# Altium PCB BMS_V2.1_Adv.PcbDoc (part 4 of 4) (continued)
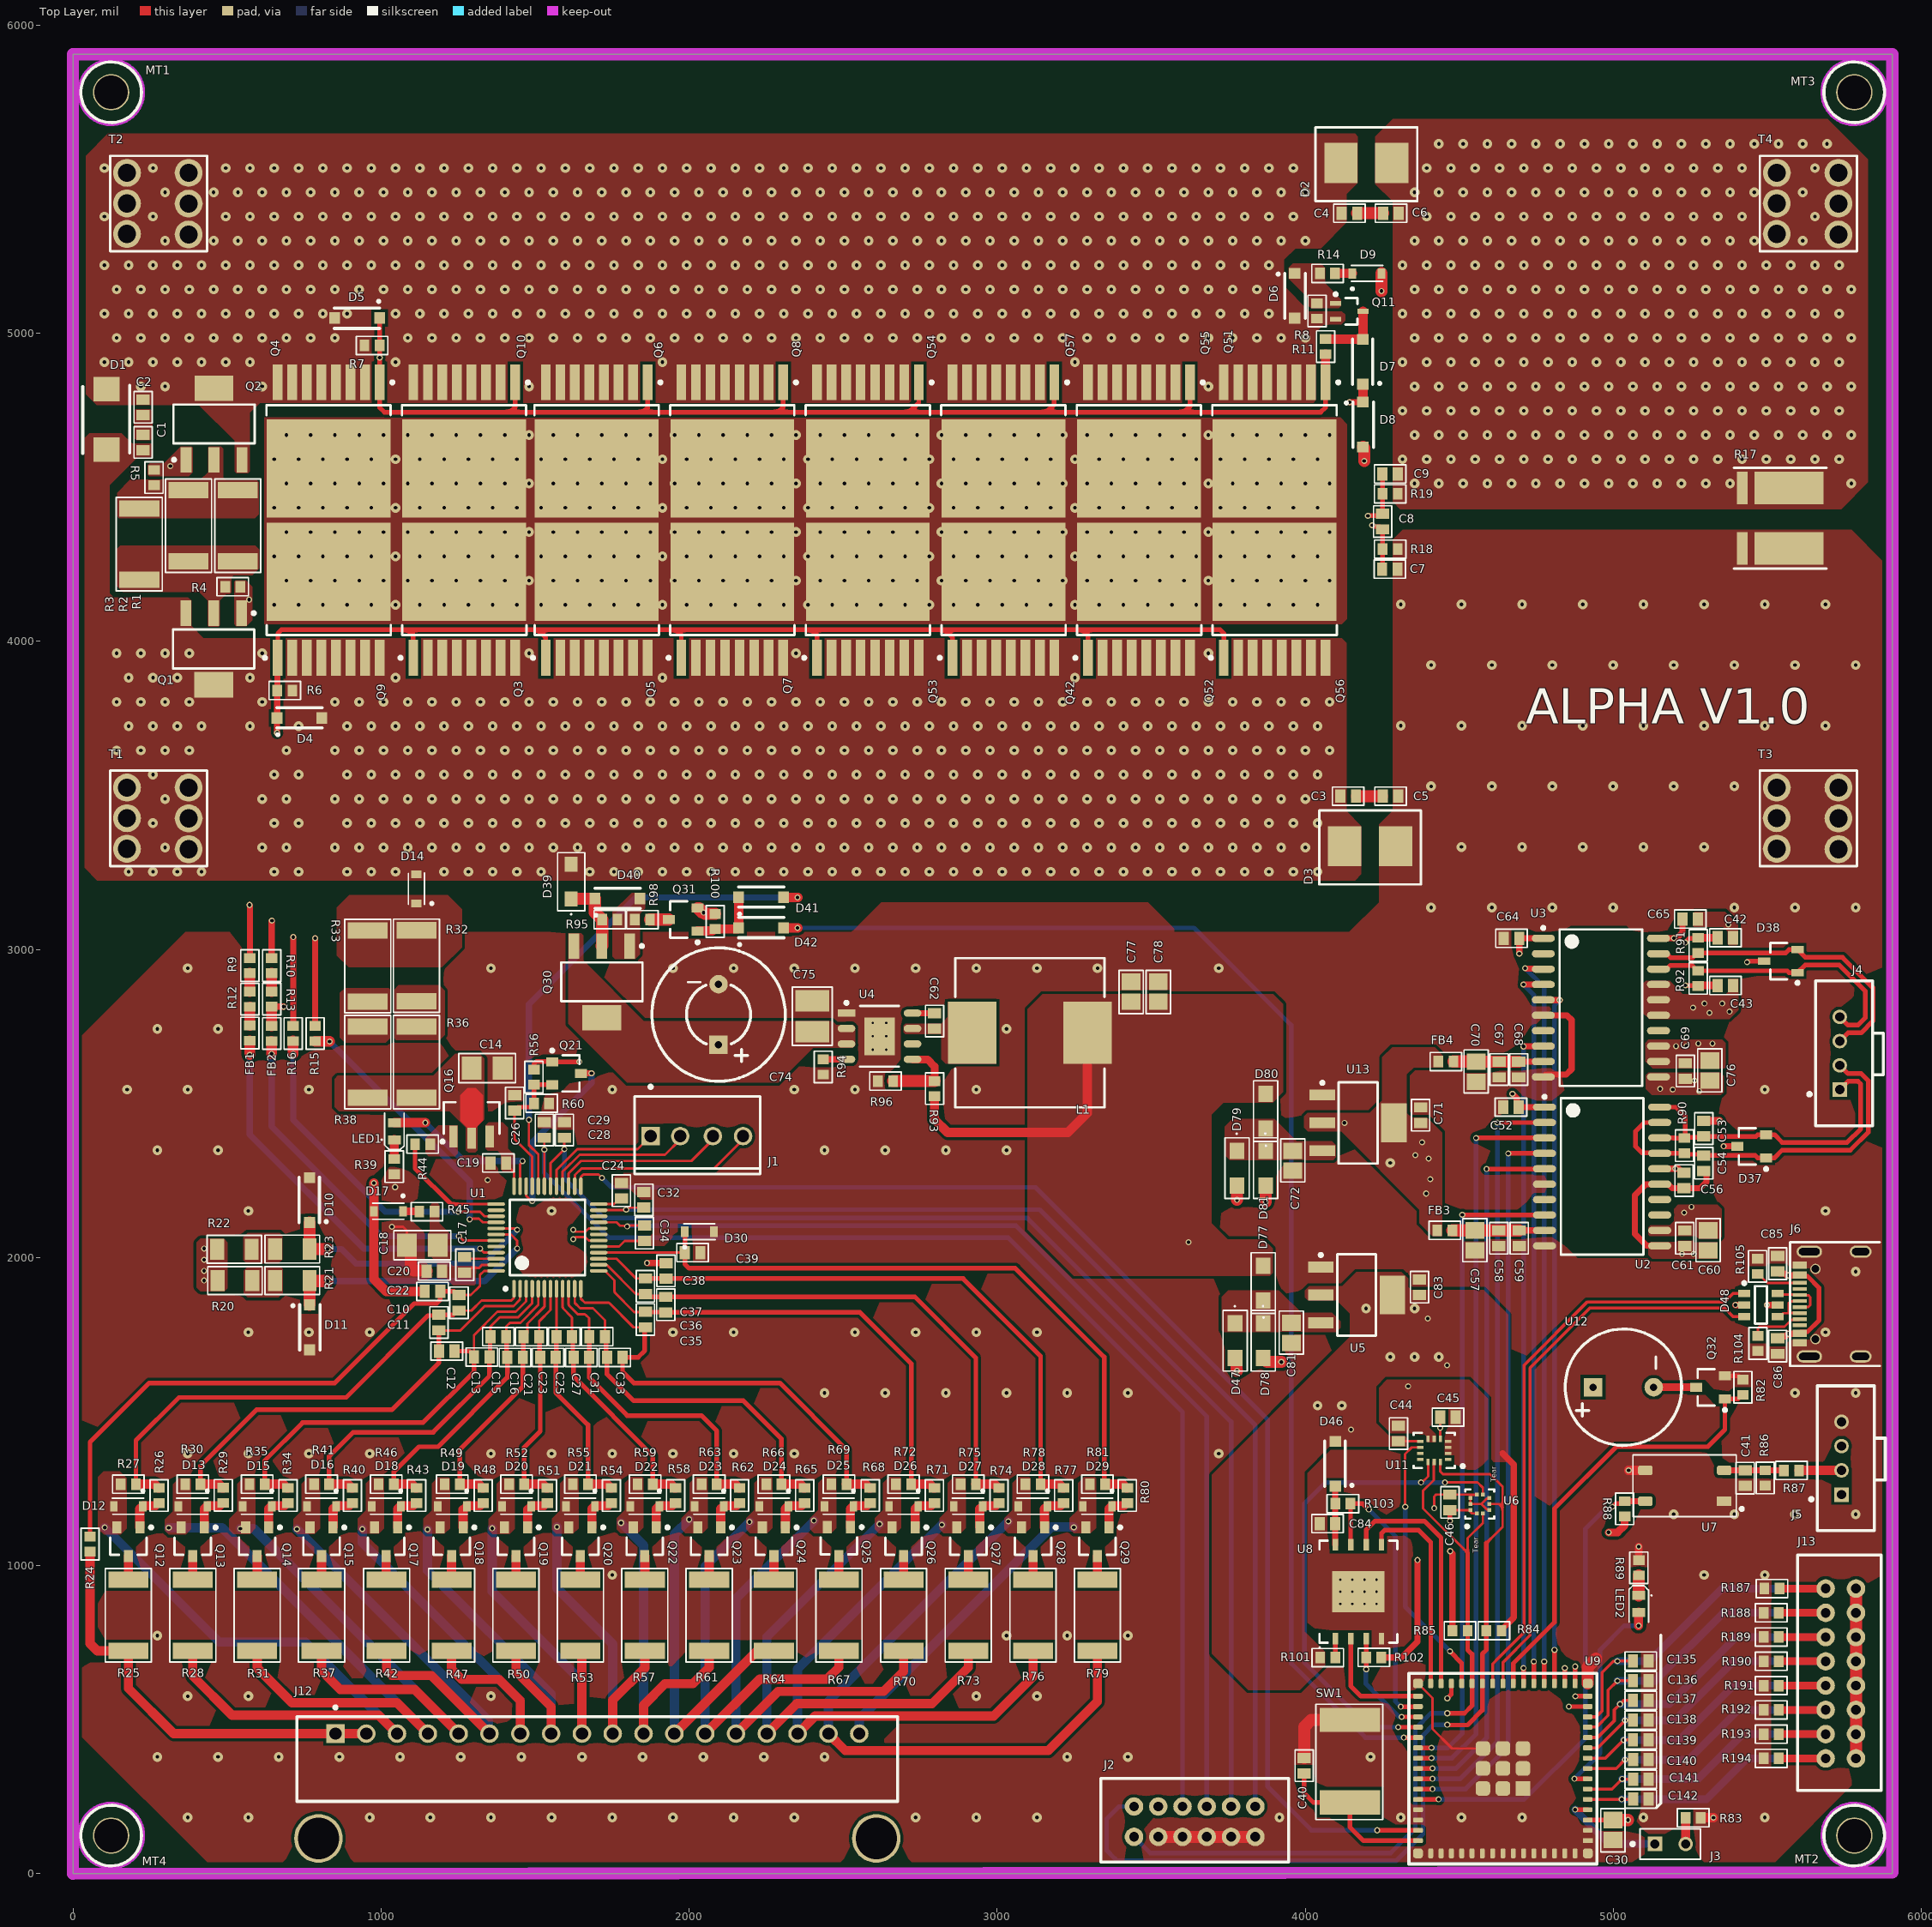
[diagram p0: Top Layer view]
## Polygon pours and split planes (outlines as drawn) (continued)
CAN_GND on Top Layer "NONET_L-01_P-001" (solid, pour order 85): 5257.66,3076.57 5257.66,3116.82 5263.13,3122.29 5362.29,3122.29 5403.99,3080.59 5403.99,3017.03 5400.43,3013.47 5374.49,3013.47 5370.93,3017.03 5370.93,3057.2 5355.17,3072.96 5261.26,3072.96
CAN_GND on Top Layer "NONET_L-01_P-001" (solid, pour order 79): 5104.33,2591.84 5112.84,2600.36 5346.64,2600.36 5357.63,2589.36 5357.63,2536.33 5348.25,2526.95 5124.16,2526.95 5104.33,2546.79
5V_CAN on Top Layer "NONET_L-01_P-001" (solid, pour order 78): 5102.92,2636.8 5102.92,2696.18 5113.26,2706.53 5352.69,2706.53 5363.55,2695.67 5363.55,2618.1 5358.74,2613.29 5126.42,2613.29
Pack-ve on Top Layer "PACK-VE_L01_P135" (solid, pour order 135): 4283,5427 4226.54,5483.46 4226.54,5638.14 4283.35,5694.95 4307.95,5694.95 5695.1,5694.95 5826,5564.05 5826,4516 5739,4429 4308,4429 4283,4454
AFE_RegIN on Top Layer "AFE_REGIN_L01_P048" (solid, pour order 48): 1434.68,2330.75 1411.8,2353.63 1411.8,2421.44 1394.34,2438.9 1349.68,2438.9 1339.22,2428.43 1339.22,2353.51 1346.11,2346.62 1378.64,2346.62 1389.66,2335.61 1389.66,2285.19 1396.01,2278.84 1430.5,2278.84 1434.68,2283.02
NetC72_2 on Top Layer "NONET_L-01_P-001" (solid, pour order 110): 3738.19,2424.03 3763.68,2449.52 3899.87,2449.52 3971.61,2377.78 4086.72,2377.78 4099.28,2365.22 4099.28,2325.9 4089.96,2316.58 3754.77,2316.58 3738.56,2332.8
NetC81_2 on Top Layer "NONET_L-01_P-001" (solid, pour order 109): 3728.07,1763.58 3728.07,1871.88 3749.53,1893.34 3913.71,1893.34 3986.68,1820.37 4086.48,1820.37 4113.31,1793.54 4113.31,1772.08 4099.21,1757.98 3733.67,1757.98
Cell0 on Top Layer "NONET_L-01_P-001" (solid, pour order 108): 3303.16,1105.22 3247.83,1105.22 3235.12,1117.94 3235.12,1153.75 3261.83,1180.47 3261.83,1268.2 3281.18,1287.55 3316.98,1287.55 3320.52,1284 3320.52,1122.58
Cell1 on Top Layer "NONET_L-01_P-001" (solid, pour order 107): 3090.4,1105.22 3035.08,1105.22 3022.36,1117.94 3022.36,1153.75 3049.08,1180.47 3049.08,1268.2 3068.43,1287.55 3104.22,1287.55 3107.76,1284 3107.76,1122.58
Cell2 on Top Layer "NONET_L-01_P-001" (solid, pour order 106): 2880.4,1105.22 2825.08,1105.22 2812.36,1117.94 2812.36,1153.75 2839.08,1180.47 2839.08,1268.2 2858.43,1287.55 2894.22,1287.55 2897.76,1284 2897.76,1122.58
Cell3 on Top Layer "NONET_L-01_P-001" (solid, pour order 105): 2670.4,1105.22 2615.08,1105.22 2602.36,1117.94 2602.36,1153.75 2629.08,1180.47 2629.08,1268.2 2648.43,1287.55 2684.22,1287.55 2687.76,1284 2687.76,1122.58
Cell4 on Top Layer "NONET_L-01_P-001" (solid, pour order 104): 2460.4,1105.22 2405.08,1105.22 2392.36,1117.94 2392.36,1153.75 2419.08,1180.47 2419.08,1268.2 2438.43,1287.55 2474.22,1287.55 2477.76,1284 2477.76,1122.58
Cell5 on Top Layer "NONET_L-01_P-001" (solid, pour order 103): 2253.16,1105.22 2197.83,1105.22 2185.12,1117.94 2185.12,1153.75 2211.83,1180.47 2211.83,1268.2 2231.18,1287.55 2266.98,1287.55 2270.52,1284 2270.52,1122.58
Cell6 on Top Layer "NONET_L-01_P-001" (solid, pour order 102): 2043.05,1105.22 1987.72,1105.22 1975.01,1117.94 1975.01,1153.75 2001.72,1180.47 2001.72,1268.2 2021.07,1287.55 2056.87,1287.55 2060.41,1284 2060.41,1122.58
Cell7 on Top Layer "NONET_L-01_P-001" (solid, pour order 101): 1833.51,1105.79 1778.18,1105.79 1765.47,1118.51 1765.47,1154.32 1792.18,1181.03 1792.18,1268.77 1811.53,1288.11 1847.33,1288.11 1850.87,1284.57 1850.87,1123.15
Cell8 on Top Layer "NONET_L-01_P-001" (solid, pour order 100): 1623.4,1104.09 1568.07,1104.09 1555.36,1116.81 1555.36,1152.61 1582.07,1179.33 1582.07,1267.06 1601.42,1286.41 1637.22,1286.41 1640.76,1282.87 1640.76,1121.45
Cell9 on Top Layer "NONET_L-01_P-001" (solid, pour order 99): 1416.7,1102.39 1361.37,1102.39 1348.65,1115.1 1348.65,1150.91 1375.37,1177.63 1375.37,1265.36 1394.72,1284.71 1430.51,1284.71 1434.06,1281.16 1434.06,1119.74
Cell10 on Top Layer "NONET_L-01_P-001" (solid, pour order 98): 1206.02,1104.09 1150.69,1104.09 1137.98,1116.81 1137.98,1152.61 1164.69,1179.33 1164.69,1267.06 1184.04,1286.41 1219.84,1286.41 1223.38,1282.87 1223.38,1121.45
Cell11 on Top Layer "NONET_L-01_P-001" (solid, pour order 97): 992.5,1104.09 937.18,1104.09 924.46,1116.81 924.46,1152.61 951.18,1179.33 951.18,1267.06 970.53,1286.41 1006.32,1286.41 1009.86,1282.87 1009.86,1121.45
Cell12 on Top Layer "NONET_L-01_P-001" (solid, pour order 96): 784.33,1103.03 729,1103.03 716.28,1115.74 716.28,1151.55 743,1178.27 743,1266 762.35,1285.35 798.14,1285.35 801.69,1281.8 801.69,1120.38
Cell13 on Top Layer "NONET_L-01_P-001" (solid, pour order 95): 575.33,1103.03 520,1103.03 507.28,1115.74 507.28,1151.55 534,1178.27 534,1266 553.35,1285.35 589.14,1285.35 592.69,1281.8 592.69,1120.38
Cell14 on Top Layer "NONET_L-01_P-001" (solid, pour order 94): 366.33,1101.03 311,1101.03 298.28,1113.74 298.28,1149.55 325,1176.27 325,1264 344.35,1283.35 380.14,1283.35 383.69,1279.8 383.69,1118.38
Cell15 on Top Layer "NONET_L-01_P-001" (solid, pour order 93): 99,1306 152.19,1306 173.92,1284.27 173.92,1120.23 154.72,1101.03 100.4,1101.03 81.2,1120.23 81.2,1288.2
GND on Top Layer "NONET_L-01_P-001" (solid, pour order 92): 1882.33,2195.71 1889.71,2188.33 1889.71,2086.03 1874.04,2070.36 1833.3,2070.36 1833.3,2037.29 1919.76,2037.29 1946.65,2064.18 1946.65,2128 1954.18,2135.53 2025.01,2135.53 2045.69,2114.85 2045.69,2072.53 2015.68,2042.53 2015.68,2000.15 2015.01,1999.48 2027.12,1987.37 2092.37,1987.37 2122.64,2017.64 2122.64,2138.05 1995.5,2265.18 1761.41,2265.18 1754.69,2258.46 1754.69,2227.77 1759.59,2222.87 1808.74,2222.87 1835.91,2195.71
Pack+ve on Top Layer "NONET_L-01_P-001" (solid, pour order 91): 501.9,2049.55 501.9,1900.37 492.54,1891 414.45,1891 402.08,1903.36 402.08,2048.53 414.45,2060.9 490.55,2060.9
NetR22_2 on Top Layer "NONET_L-01_P-001" (solid, pour order 90): 665.5,1979.89 565.05,1979.89 552.5,1992.45 552.5,2065.9 566.31,2079.71 671.15,2079.71 679.31,2071.55 679.31,1993.7
NetR20_2 on Top Layer "NONET_L-01_P-001" (solid, pour order 89): 667.5,1870.81 567.05,1870.81 554.5,1883.36 554.5,1956.81 568.31,1970.62 673.15,1970.62 681.31,1962.46 681.31,1884.62
GND on Top Layer "Top Layer-GND" (solid, pour order 88): 5424.61,336 5493.83,336 5505.14,347.31 5505.14,944.4 5505.14,1150.14 5528,1173 5528,1258.73 5510.93,1275.8 5510.54,1275.4 5336.4,1275.4 5320,1259 5320,1177 5320,1157.81 5405.42,1072.39 5405.42,355.19
RS485_GND on Top Layer "NONET_L-01_P-001" (solid, pour order 83): 5112.6,2042.89 5119.52,2049.81 5205.02,2049.81 5209.35,2054.14 5259.49,2054.14 5264.02,2049.61 5337.17,2049.61 5337.17,1996.46 5125.2,1996.46 5112.6,2009.06
GND on Top Layer "NONET_L-01_P-001" (solid, pour order 81): 4380.8,2055.33 4022.33,2055.33 3986.68,2019.68 3986.68,1969.02 4004.4,1951.31 4091.36,1951.31 4117.06,1977 4326.36,1977 4348.51,1954.85 4348.51,1912.33 4800.94,1912.33 4812.27,1923.66 4813.59,2045.29 4803.56,2055.33 4516.06,2055.33
VBAT_IN on Top Layer "NONET_L-01_P-001" (solid, pour order 61): 1608.2,3052.06 1649.79,3052.06 1656,3045.85 1656,2964 1852.69,2767.31 2464.64,2767.31 2477.08,2754.87 2532.02,2754.87 2538.94,2747.95 2538.94,2688.16 2531.06,2680.28 2402.5,2680.28 2289.79,2567.58 1798.65,2567.58 1608.2,2758.03
GND on Top Layer "NONET_L-01_P-001" (solid, pour order 74): 1507.15,2424.43 1507.15,2458.22 1528.42,2479.49 1528.42,2519.68 1531.18,2522.44 1621.01,2522.44 1626.92,2516.53 1626.92,2427.88 1617.86,2418.82 1510.89,2418.82
GND on Top Layer "NONET_L-01_P-001" (solid, pour order 73): 1362.17,2655.16 1365.6,2658.58 1449.1,2658.58 1460.67,2647.02 1460.67,2510.41 1457.67,2507.41 1407.99,2507.41 1362.17,2553.23
NetD6_1 on Top Layer "NONET_L-01_P-001" (solid, pour order 72): 3945.16,5177.58 3945.16,5212.3 3958.87,5226 4049.69,5226 4063.39,5212.3 4063.39,5161.46 4115.94,5108.92 4115.94,5087.78 4108.96,5080.8 4017.83,5080.8 4008.61,5090.02 4008.61,5114.13
PDSG_Gate on Top Layer "NONET_L-01_P-001" (solid, pour order 69): 242.89,4541.56 242.89,4571.45 249.34,4577.9 296.1,4577.9 349.85,4631.65 385.33,4631.65 388.55,4628.42 388.55,4547.8 377.02,4536.27 248.19,4536.27
PCHG_Gate on Top Layer "NONET_L-01_P-001" (solid, pour order 68): 529.86,4049.09 523.89,4055.06 523.89,4192.93 528.67,4197.71 561.49,4197.71 582.04,4177.16 582.04,4067.85 563.28,4049.09
NetQ1_2 on Top Layer "NONET_L-01_P-001" (solid, pour order 67): 140.72,4297.09 153.31,4309.68 592.13,4309.68 604.73,4297.08 604.73,4236.59 582.04,4213.91 521.56,4213.91 513.99,4206.35 513.99,4158.65 508.2,4152.86 497.25,4152.86 476.35,4131.96 476.35,4051.06 472.97,4047.68 441.05,4047.68 437.43,4051.29 437.43,4132 409.73,4159.7 161.6,4159.7 140.72,4180.58
NetC1_2 on Top Layer "NONET_L-01_P-001" (solid, pour order 66): 203.24,4752.95 251.8,4752.95 258.46,4746.29 258.46,4658.95 251.36,4651.85 205.92,4651.85 197.88,4659.89 197.88,4747.59
BST on Top Layer "NONET_L-01_P-001" (solid, pour order 65): 2839.72,2829.97 2839.72,2780.51 2818.12,2758.91 2702.19,2758.91 2696.42,2753.14 2696.42,2731.36 2701.94,2725.84 2774.82,2725.84 2818.12,2725.84 2818.12,2642.98 2831.93,2629.18 2997.2,2629.18 2997.2,2829.97
GND on Top Layer "NONET_L-01_P-001" (solid, pour order 63): 2666.89,2855.89 2818,3007 3265.44,3007 3380.08,2892.36 3403.96,2868.48 3556.48,2868.48 3574,2886 3574,3067 3489,3152 2624,3152 2439,2969.38 1916.1,2969.38 1908.18,2961.47 1908.18,2814.82 1924.2,2798.8 2454.8,2798.8 2474.53,2779.08 2556.3,2779.08 2565.71,2769.67 2565.71,2535.29 2571.75,2529.25 2623.93,2529.25 2628.51,2533.84 2628.51,2607.14 2666.89,2645.53
NetD40_2 on Top Layer "NONET_L-01_P-001" (solid, pour order 60): 1759.2,2969.38 1751.33,2977.25 1751.33,3121.57 1813.14,3183.38 1857.63,3183.38 1857.63,3133.28 1839.62,3115.28 1839.62,2984.26 1824.74,2969.38
12V on Top Layer "NONET_L-01_P-001" (solid, pour order 57): 3895.66,2854.34 3928,2822 3928,2537.51 3893.49,2503 3734,2503 3695,2464 3695,2112 3748,2059 3864,2059 3894,2029 3894,1950.78 3883.95,1940.73 3248.27,1940.73 3098.24,2090.76 3098.24,2805.42 3147.16,2854.34
NetC14_2 on Top Layer "NONET_L-01_P-001" (solid, pour order 59): 849.62,2579.62 859.88,2589.88 1169,2589.88 1240.8,2661.67 1319.52,2661.67 1335.74,2645.45 1335.74,2448.93 1312.95,2426.14 1312.95,2348.11 1306.04,2341.2 1283.26,2341.2 1275.66,2348.8 1275.66,2421.31 1222.49,2474.48 863.84,2474.48 849.62,2488.69
CD on Top Layer "CD_L01_P000" (solid, remove dead copper, pour order 0): 4118.17,4055.55 621.34,4055.55 621.34,4725.55 4113.45,4725.55 4134.46,4704.54 4134.46,4071.83
NetR33_1 on Top Layer "NETR33_1_L01_P046" (solid, pour order 46): 1030.19,2712.2 1015.55,2697.55 883.46,2697.55 866.46,2714.56 866.46,2858.55 882.46,2874.56 1024.32,2874.56 1029.29,2869.59
AFE_BAT on Top Layer "AFE_BAT_L01_P010" (solid, pour order 10): 1151.72,2077.4 1157.86,2083.54 1157.86,2167.69 1165.17,2175 1184.2,2175 1189.35,2169.84 1189.35,2111.04 1224,2076.4 1224,1982 1233.35,1972.65 1308.7,1972.65 1308.7,1910.42 1233.2,1910.42 1211.67,1931.95 1184.06,1931.95 1181.66,1934.35 1181.66,1984.59 1166.69,1999.56 1163.65,2002.6 1151.72,2002.6 1151.72,2014.54
NetD14_1 on Top Layer "NETD14_1_L01_P047" (solid, pour order 47): 856.96,2979.89 856.96,3135.89 896.96,3175.89 1216.96,3175.89 1262.96,3129.89 1262.96,3006.89 1197.96,2941.89 894.96,2941.89
NetR32_1 on Top Layer "NETR32_1_L01_P045" (solid, pour order 45): 1042.8,2868.65 1057.38,2883.23 1189.46,2883.23 1206.47,2866.22 1206.47,2722.23 1190.46,2706.22 1048.6,2706.22 1043.7,2711.12
NetQ16_B on Top Layer "NETQ16_B_L01_P011" (solid, pour order 11): 1143.86,2386.7 1185.59,2428.43 1248.67,2428.43 1248.67,2336.37 1240.8,2328.5 1153.83,2328.5 1143.86,2338.47
3.3V on PWR "NONET_L-01_P-001" (solid, pour order 144): 4015,1570 4056,1611 4117.32,1611 4277.23,1451.1 4277.23,1377.54 4701,953.77 4701,765.36 4683.64,748 4607,748 4015,1340
GND on PWR "NONET_L-01_P-001" (solid, remove dead copper, pour order 147): 4284,4330 4316,4362 5772,4362 5851,4283 5851,365 5524.31,38.31 435.69,38.31 25,449 25,2653 503,3131 4217.54,3131 4284,3197.46
5V on PWR "NONET_L-01_P-001" (solid, pour order 136): 3971.61,2491.61 4000.26,2520.26 4340.02,2520.26 4997,1863.28 4997,1613 4997,1549 4962,1514 4799,1514 3971.61,2341.39
CAN_GND on PWR "NONET_L-01_P-001" (solid, pour order 138): 5376.39,2723 5390.56,2708.83 5390.56,2614.53 5370.89,2594.86 5142.86,2594.86 5132,2584 5132,2535.57 5140.62,2526.95 5432.26,2526.95 5608,2702.7 5608,3076 5587.31,3096.69 5352.41,3096.69 5258,3002.28 5258,2751 5286,2723
3.3V on PWR "NONET_L-01_P-001" (solid, pour order 145): 4519.73,1613.73 4272.65,1613.73 3712,2174.38 3712,2850.4 3948.6,3087 4766.34,3087 4843,3010.34 4843,2317.36 4801.83,2276.19 4683.46,2276.19 4361.65,2598.01 3972.99,2598.01 3912.5,2537.51 3912.5,2321.23 4536.27,1697.46 4536.27,1630.27
RS485_GND on PWR "NONET_L-01_P-001" (solid, pour order 141): 5311.7,2084.92 5279.14,2052.36 5141.97,2052.36 5128.31,2038.69 5128.31,1986.69 5145,1970 5414.16,1970 5483,2038.84 5483,2470 5440,2513 5278,2513 5248,2478 5248,2353.69 5311.7,2289.99
5V_RS485 on PWR "NONET_L-01_P-001" (solid, pour order 140): 5247.12,2062.55 5148,2062.55 5112.6,2097.96 5112.6,2284.22 5129.37,2300.99 5237.5,2300.99 5276.14,2262.35 5276.14,2091.57
5V_CAN on PWR "NONET_L-01_P-001" (solid, pour order 139): 5102.92,3036.31 5143.35,3076.75 5195.71,3076.75 5211.83,3060.63 5211.83,2997.89 5191.66,2977.72 5192.27,2977.12 5192.27,2717.79 5203.54,2706.53 5352.69,2706.53 5363.55,2695.67 5363.55,2618.1 5358.74,2613.29 5126.42,2613.29 5102.92,2636.8
Pack-ve on PWR "PACK-VE_L02_P134" (solid, pour order 134): 4283,5427 4226.54,5483.46 4226.54,5638.14 4283.35,5694.95 4307.95,5694.95 5695.1,5694.95 5826,5564.05 5826,4516 5739,4429 4308,4429 4283,4454
CD on PWR "NONET_L-01_P-001" (solid, pour order 118): 621.34,4725.55 621.34,4055.55 4118.17,4055.55 4134.46,4071.83 4134.46,4704.54 4113.45,4725.55
Pack+ve on PWR "NONET_L-01_P-001" (solid, pour order 114): 42,5575 114,5647 3958.56,5647 4041.24,5564.31 4041.24,4789.39 4018.11,4766.26 76.74,4766.26 42,4801
VBAT on PWR "NONET_L-01_P-001" (solid, pour order 112): 765,3224 882.08,3106.92 882.08,2136.92 904,2115 1123.97,2115 1138.96,2129.99 1138.96,3101.96 1261,3224 4135,3224 4135,3981 4110.36,4005.64 67.64,4005.64 37.64,3975.64 37.64,3265.36 79,3224
GND on GND "NONET_L-01_P-001" (solid, remove dead copper, pour order 148): 4238.54,3405.66 4284,3451.12 4284,4330 4316,4362 5772,4362 5851,4283 5851,365 5524.31,38.31 436.69,38.31 31,444 31,2671 512,3152 4218,3152 4238.54,3172.54
Pack+ve on GND "NONET_L-01_P-001" (solid, pour order 113): 35,1888 95,1828 400.33,1828 452.5,1880.17 452.5,2060.9 424.4,2089 348,2089 76.74,2360.26 76.74,4708.74 157.4,4789.4 4041.24,4789.39 4041.24,5630.76 4025,5647 114,5647 35,5568
VBUS on GND "NONET_L-01_P-001" (solid, pour order 137): 5509.9,1712.35 5468.56,1753.68 5468.56,1929.19 5514.2,1974.83 5586.59,1974.83 5621.63,1939.8 5621.63,1752.38 5582.09,1712.85
Pack-ve on GND "PACK-VE_L03_P008" (solid, pour order 8): 4283,5427 4226.54,5483.46 4226.54,5638.14 4283.35,5694.95 4307.95,5694.95 5695.1,5694.95 5826,5564.05 5826,4516 5739,4429 4308,4429 4283,4454
CD on GND "NONET_L-01_P-001" (solid, pour order 119): 621.34,4725.55 621.34,4067.36 633.15,4055.55 4100.52,4055.55 4119,4074.03 4119,4715.21 4108.66,4725.55
VBAT on GND "NONET_L-01_P-001" (solid, pour order 115): 816,3268 816,3961.9 859.74,4005.64 4110.36,4005.64 4135,3981 4135,3251 4108,3224 860,3224
GND on Bottom Layer "NONET_L-01_P-001" (solid, remove dead copper, pour order 149): 4238.54,3405.66 4284,3451.12 4284,4330 4316,4362 5772,4362 5851,4283 5851,365 5524.31,38.31 436.69,38.31 31,444 31,2680 487.58,3136.58 4223.12,3136.58 4238.54,3152
Pack-ve on Bottom Layer "PACK-VE_L04_P133" (solid, pour order 133): 4283,5427 4226.54,5483.46 4226.54,5638.14 4283.35,5694.95 4307.95,5694.95 5695.1,5694.95 5826,5564.05 5826,4516 5739,4429 4308,4429 4283,4454
CD on Bottom Layer "NONET_L-01_P-001" (solid, pour order 120): 621.34,4725.55 621.34,4067.36 633.15,4055.55 4118.17,4055.55 4134.46,4071.83 4134.46,4704.54 4113.45,4725.55
VBAT on Bottom Layer "NONET_L-01_P-001" (solid, pour order 117): 118,3221 48,3291 48,3964 88,4004 4124,4004 4134,3994 4134,3250 4108,3224
Pack+ve on Bottom Layer "NONET_L-01_P-001" (solid, pour order 116): 134.26,4766.26 39,4861.52 39,5572 114,5647 3995.66,5647 4037,5605.66 4037,4793.77 4009.49,4766.26

## Keep-outs
Top Layer:
  circle w10: c124.25,5781.26 r105.02
  circle w10: c5781.26,124.25 r105.02
  circle w10: c5781.26,5781.26 r105.02
  circle w10: c124.25,124.25 r105.02
Keep-Out Layer:
  lines w40: 0,0 0,5905 5905,5905 5905,5 0,0

## Other copper
PWR:
  pour cut-out: 816,3093 816,2060.45 849,2027.45 1199.75,2027.45 1299,2126.7 1299,3065.92 1262.96,3101.96 1199.98,3101.96 1148.75,3050.73 1148.75,2125.36 1128.19,2104.8 899.62,2104.8 871.89,2132.54 871.89,3059.11 838,3093
GND:
  pour cut-out: 95,2735 95,2387 322,2160 489,2160 526,2123 526,1803 472,1749 91,1749 31,1809 31,1871.05 33.71,1871.05 35.62,1872.96 90,1818.58 404.23,1818.58 461.92,1876.27 461.92,2064.8 427.52,2099.2 352.22,2099.2 86.94,2364.48 86.94,2726.94
Multi-Layer:
  pour cut-out: 4843,3059.17 4860.58,3076.75 5041.74,3076.75 5060.16,3058.33 5060.16,1997.25 4883.05,1997.25 4843,2037.3
  pour cut-out: 4134.46,5359.47 4134.46,5451.46 4169.46,5486.46 4169.46,5638.14 4178.31,5647 4217.69,5647 4226.54,5638.14 4226.54,5483.91 4283.46,5427 4283.46,3450.57 4238.54,3405.66 4238.54,3210 4181.46,3210 4181.46,3399.96 4134.46,3446.96 4134.46,4704.54 4056.99,4782.01 4049.61,4782.01 4049.61,5002.21 4074.81,5027.41 4116,5027.41 4134.46,5045.87

## Silkscreen, mask and mechanical layers (free items; w line width, h text height)
Top Overlay:
  lines w10: 5139.69,214.69 5153.54,228.54 5153.54,774
  text "ALPHA V1.0" at 4715,3695.75 h196.85
  text "Tear" at 4624.42,1271.54 h27 r90
  text "Tear" at 4565.71,1042 h27 r90
Mechanical 1:
  the board outline again, w10
Keepout:
  lines w20: 0,10 ccw(c10,10) 10,0 5895.51,0 ccw(c5895.51,10) 5905.51,10 5905.51,5895.51 ccw(c5895.51,5895.51) 5895.51,5905.51 10,5905.51 ccw(c10,5895.51) 0,5895.51 0,10
Mechanical 15:
  drawing of 295 lines, arcs and shapes, not listed
  text "Layer" at 61.5,7692 h60
  text "Name" at 471.41,7692 h60
  text "Material" at 1401.16,7692 h60
  text "Thickness" at 2260.92,7692 h60
  text "Constant" at 2910.76,7692 h60
  text "Board Layer Stack" at 3480.62,7692 h60
  text "Top Overlay" at 471.41,7572 h60
  text "Top Solder" at 471.41,7452 h60
  text "Solder Resist" at 1401.16,7452 h60
  text "0.40mil" at 2260.92,7452 h60
  text "3.5" at 2910.76,7452 h60
  text "1" at 61.5,7332 h60
  text "Top Layer" at 471.41,7332 h60
  text "1.40mil" at 2260.92,7332 h60
  text "Dielectric 2" at 471.41,7212 h60
  text "PP-006" at 1401.16,7212 h60
  text "2.80mil" at 2260.92,7212 h60
  text "4.1" at 2910.76,7212 h60
  text "2" at 61.5,7092 h60
  text "PWR" at 471.41,7092 h60
  text "CF-004" at 1401.16,7092 h60
  text "1.38mil" at 2260.92,7092 h60
  text "Dielectric 1" at 471.41,6972 h60
  text "FR-4" at 1401.16,6972 h60
  text "12.60mil" at 2260.92,6972 h60
  text "4.8" at 2910.76,6972 h60
  text "3" at 61.5,6852 h60
  text "GND" at 471.41,6852 h60
  text "CF-004" at 1401.16,6852 h60
  text "1.38mil" at 2260.92,6852 h60
  text "Dielectric 3" at 471.41,6732 h60
  text "PP-006" at 1401.16,6732 h60
  text "2.80mil" at 2260.92,6732 h60
  text "4.1" at 2910.76,6732 h60
  text "4" at 61.5,6612 h60
  text "Bottom Layer" at 471.41,6612 h60
  text "1.40mil" at 2260.92,6612 h60
  text "Bottom Solder" at 471.41,6492 h60
  text "Solder Resist" at 1401.16,6492 h60
  text "0.40mil" at 2260.92,6492 h60
  text "3.5" at 2910.76,6492 h60
  text "Bottom Overlay" at 471.41,6372 h60
  text "Total board thickness:" at 61.5,6252 h60
  text "24.56mil" at 2260.92,6252 h60
Drill Drawing:
  circle w10: c6942.62,5712.27 r33.33
  circle w10: c6942.62,4662.27 r20
  circle w10: c6942.62,4662.27 r33.33
  lines w10: 6909.29,4028.94 6942.62,4045.61 6975.96,4028.94 6959.29,4062.27 6975.96,4095.61 6942.62,4078.94 6909.29,4095.61 6925.96,4062.27 6909.29,4028.94 ; 6909.29,4178.94 6975.96,4178.94 6975.96,4245.61 6909.29,4245.61 6909.29,4178.94 ; 6909.29,4345.61 6925.96,4345.61 6925.96,4328.94 6959.29,4328.94 6959.29,4345.61 6975.96,4345.61 6975.96,4378.94 6959.29,4378.94 6959.29,4395.61 6925.96,4395.61 6925.96,4378.94 6909.29,4378.94 6909.29,4345.61 ; 6909.29,4545.61 6975.96,4545.61 6942.62,4478.94 6909.29,4545.61 ; 6909.29,4778.94 6909.29,4795.61 6925.96,4812.27 6909.29,4828.94 6909.29,4845.61 6925.96,4845.61 6942.62,4828.94 6959.29,4845.61 6975.96,4845.61 6975.96,4828.94 6959.29,4812.27 6975.96,4795.61 6975.96,4778.94 6959.29,4778.94 6942.62,4795.61 6925.96,4778.94 6909.29,4778.94 ; 6909.29,4928.94 6942.62,4945.61 6975.96,4928.94 6959.29,4962.27 6975.96,4995.61 6942.62,4978.94 6909.29,4995.61 6925.96,4962.27 6909.29,4928.94 ; 6909.29,5112.27 6942.62,5078.94 6975.96,5112.27 6942.62,5145.61 6909.29,5112.27 ; 6909.29,5245.61 6925.96,5245.61 6942.62,5228.94 6959.29,5245.61 6975.96,5245.61 6959.29,5262.27 6975.96,5278.94 6959.29,5278.94 6942.62,5295.61 6925.96,5278.94 6909.29,5278.94 6925.96,5262.27 6909.29,5245.61 ; 6909.29,5395.61 6925.96,5395.61 6942.62,5378.94 6959.29,5395.61 6975.96,5395.61 6959.29,5412.27 6975.96,5428.94 6959.29,5428.94 6942.62,5445.61 6925.96,5428.94 6909.29,5428.94 6925.96,5412.27 6909.29,5395.61 ; 6909.29,5528.94 6975.96,5528.94 6975.96,5595.61 6909.29,5595.61 6909.29,5528.94 ; 6909.29,5895.61 6975.96,5895.61 6942.62,5828.94 6909.29,5895.61 ; 6922.62,4042.27 6942.62,4052.27 6962.62,4042.27 6952.62,4062.27 6962.62,4082.27 6942.62,4072.27 6922.62,4082.27 6932.62,4062.27 6922.62,4042.27 ; 6922.62,4192.27 6962.62,4192.27 6962.62,4232.27 6922.62,4232.27 6922.62,4192.27 ; 6922.62,4532.27 6962.62,4532.27 6942.62,4492.27 6922.62,4532.27 ; 6922.62,5402.27 6932.62,5402.27 6942.62,5392.27 6952.62,5402.27 6962.62,5402.27 6952.62,5412.27 6962.62,5422.27 6952.62,5422.27 6942.62,5432.27 6932.62,5422.27 6922.62,5422.27 6932.62,5412.27 6922.62,5402.27
  lines w15: 6849.5,3983.94 13309.74,3983.94 ; 6849.5,5933.94 13309.74,5933.94 ; 7400.38,3833.94 7400.38,6083.94 ; 8040.2,3833.94 8040.2,6083.94 ; 9189.87,3833.94 9189.87,6083.94 ; 9695.74,3833.94 9695.74,6083.94 ; 10429.55,3833.94 10429.55,6083.94 ; 11929.1,3833.94 11929.1,6083.94 ; 12518.94,3833.94 12518.94,6083.94 ; 6849.5,3833.94 13309.74,3833.94 13309.74,6083.94 6849.5,6083.94 6849.5,3833.94
  text "Symbol" at 6939.5,5978.94 h72
  text "Count" at 7445.38,5978.94 h72
  text "Hole Size" at 8085.2,5978.94 h72
  text "Plated" at 9234.87,5978.94 h72
  text "Hole Type" at 9740.74,5978.94 h72
  text "Drill Layer Pair" at 10474.55,5978.94 h72
  text "Via/Pad" at 11974.1,5978.94 h72
  text "Pad Shape" at 12563.94,5978.94 h72
  text "2" at 7445.38,5828.94 h60
  text "0.600mm (23.62mil)" at 8085.2,5828.94 h60
  text "PTH" at 9234.87,5828.94 h60
  text "Slot" at 9740.74,5828.94 h60
  text "Top Layer - Bottom Layer" at 10474.55,5828.94 h60
  text "Pad" at 11974.1,5828.94 h60
  text "Rounded" at 12563.94,5828.94 h60
  text "2" at 7445.38,5678.94 h60
  text "0.600mm (23.62mil)" at 8085.2,5678.94 h60
  text "PTH" at 9234.87,5678.94 h60
  text "Slot" at 9740.74,5678.94 h60
  text "Top Layer - Bottom Layer" at 10474.55,5678.94 h60
  text "Pad" at 11974.1,5678.94 h60
  text "Rounded" at 12563.94,5678.94 h60
  text "2" at 7445.38,5528.94 h60
  text "0.650mm (25.59mil)" at 8085.2,5528.94 h60
  text "PTH" at 9234.87,5528.94 h60
  text "Round" at 9740.74,5528.94 h60
  text "Top Layer - Bottom Layer" at 10474.55,5528.94 h60
  text "Pad" at 11974.1,5528.94 h60
  text "Rounded" at 12563.94,5528.94 h60
  text "2" at 7445.38,5378.94 h60
  text "3.400mm (133.86mil)" at 8085.2,5378.94 h60
  text "PTH" at 9234.87,5378.94 h60
  text "Round" at 9740.74,5378.94 h60
  text "Top Layer - Bottom Layer" at 10474.55,5378.94 h60
  text "Pad" at 11974.1,5378.94 h60
  text "Rounded" at 12563.94,5378.94 h60
  text "4" at 7445.38,5228.94 h60
  text "0.600mm (23.62mil)" at 8085.2,5228.94 h60
  text "PTH" at 9234.87,5228.94 h60
  text "Round" at 9740.74,5228.94 h60
  text "Top Layer - Bottom Layer" at 10474.55,5228.94 h60
  text "Pad" at 11974.1,5228.94 h60
  text "(Mixed)" at 12563.94,5228.94 h60
  text "4" at 7445.38,5078.94 h60
  text "1.000mm (39.37mil)" at 8085.2,5078.94 h60
  text "PTH" at 9234.87,5078.94 h60
  text "Round" at 9740.74,5078.94 h60
  text "Top Layer - Bottom Layer" at 10474.55,5078.94 h60
  text "Pad" at 11974.1,5078.94 h60
  text "(Mixed)" at 12563.94,5078.94 h60
  text "4" at 7445.38,4928.94 h60
  text "2.750mm (108.27mil)" at 8085.2,4928.94 h60
  text "PTH" at 9234.87,4928.94 h60
  text "Round" at 9740.74,4928.94 h60
  text "Top Layer - Bottom Layer" at 10474.55,4928.94 h60
  text "Pad" at 11974.1,4928.94 h60
  text "Rounded" at 12563.94,4928.94 h60
  text "10" at 7445.38,4778.94 h60
  text "0.762mm (30.00mil)" at 8085.2,4778.94 h60
  text "PTH" at 9234.87,4778.94 h60
  text "Round" at 9740.74,4778.94 h60
  text "Top Layer - Bottom Layer" at 10474.55,4778.94 h60
  text "Pad" at 11974.1,4778.94 h60
  text "(Mixed)" at 12563.94,4778.94 h60
  text "18" at 7445.38,4628.94 h60
  text "0.200mm (7.87mil)" at 8085.2,4628.94 h60
  text "PTH" at 9234.87,4628.94 h60
  text "Round" at 9740.74,4628.94 h60
  text "Top Layer - Bottom Layer" at 10474.55,4628.94 h60
  text "Via" at 11974.1,4628.94 h60
  text "Rounded" at 12563.94,4628.94 h60
  text "18" at 7445.38,4478.94 h60
  text "1.016mm (40.00mil)" at 8085.2,4478.94 h60
  text "PTH" at 9234.87,4478.94 h60
  text "Round" at 9740.74,4478.94 h60
  text "Top Layer - Bottom Layer" at 10474.55,4478.94 h60
  text "Pad" at 11974.1,4478.94 h60
  text "(Mixed)" at 12563.94,4478.94 h60
  text "24" at 7445.38,4328.94 h60
  text "1.500mm (59.06mil)" at 8085.2,4328.94 h60
  text "PTH" at 9234.87,4328.94 h60
  text "Round" at 9740.74,4328.94 h60
  text "Top Layer - Bottom Layer" at 10474.55,4328.94 h60
  text "Pad" at 11974.1,4328.94 h60
  text "Rounded" at 12563.94,4328.94 h60
  text "28" at 7445.38,4178.94 h60
  text "0.800mm (31.50mil)" at 8085.2,4178.94 h60
  text "PTH" at 9234.87,4178.94 h60
  text "Round" at 9740.74,4178.94 h60
  text "Top Layer - Bottom Layer" at 10474.55,4178.94 h60
  text "Pad" at 11974.1,4178.94 h60
  text "Rounded" at 12563.94,4178.94 h60
  text "1723" at 7445.38,4028.94 h60
  text "0.300mm (11.81mil)" at 8085.2,4028.94 h60
  text "PTH" at 9234.87,4028.94 h60
  text "Round" at 9740.74,4028.94 h60
  text "Top Layer - Bottom Layer" at 10474.55,4028.94 h60
  text "Via" at 11974.1,4028.94 h60
  text "Rounded" at 12563.94,4028.94 h60
  text "1841 Total" at 7445.38,3878.94 h60
  text "Slot definitions :" at 6939.5,3733.97 h60
  text "Routed Path Length" at 7972.19,3733.97 h60
  text "= Calculated from tool start centre position to tool end centre position." at 9074.86,3733.97 h60
  text "Hole Length" at 7972.19,3633.99 h60
  text "= Routed Path Length + Tool Size = Slot length as defined in the PCB layout" at 8664.99,3633.99 h60